# Altium PCB droneM.PcbDoc
Units mm, origin at the board's own origin, x right, y up, seen from the top; angles counter-clockwise.
Board outline 72 x 72 mm, 2 copper layers (Top Layer, Bottom Layer); 9 components, 14 nets, 60 pads, 6 vias.
Unrouted connection lines stored in the file: 4.
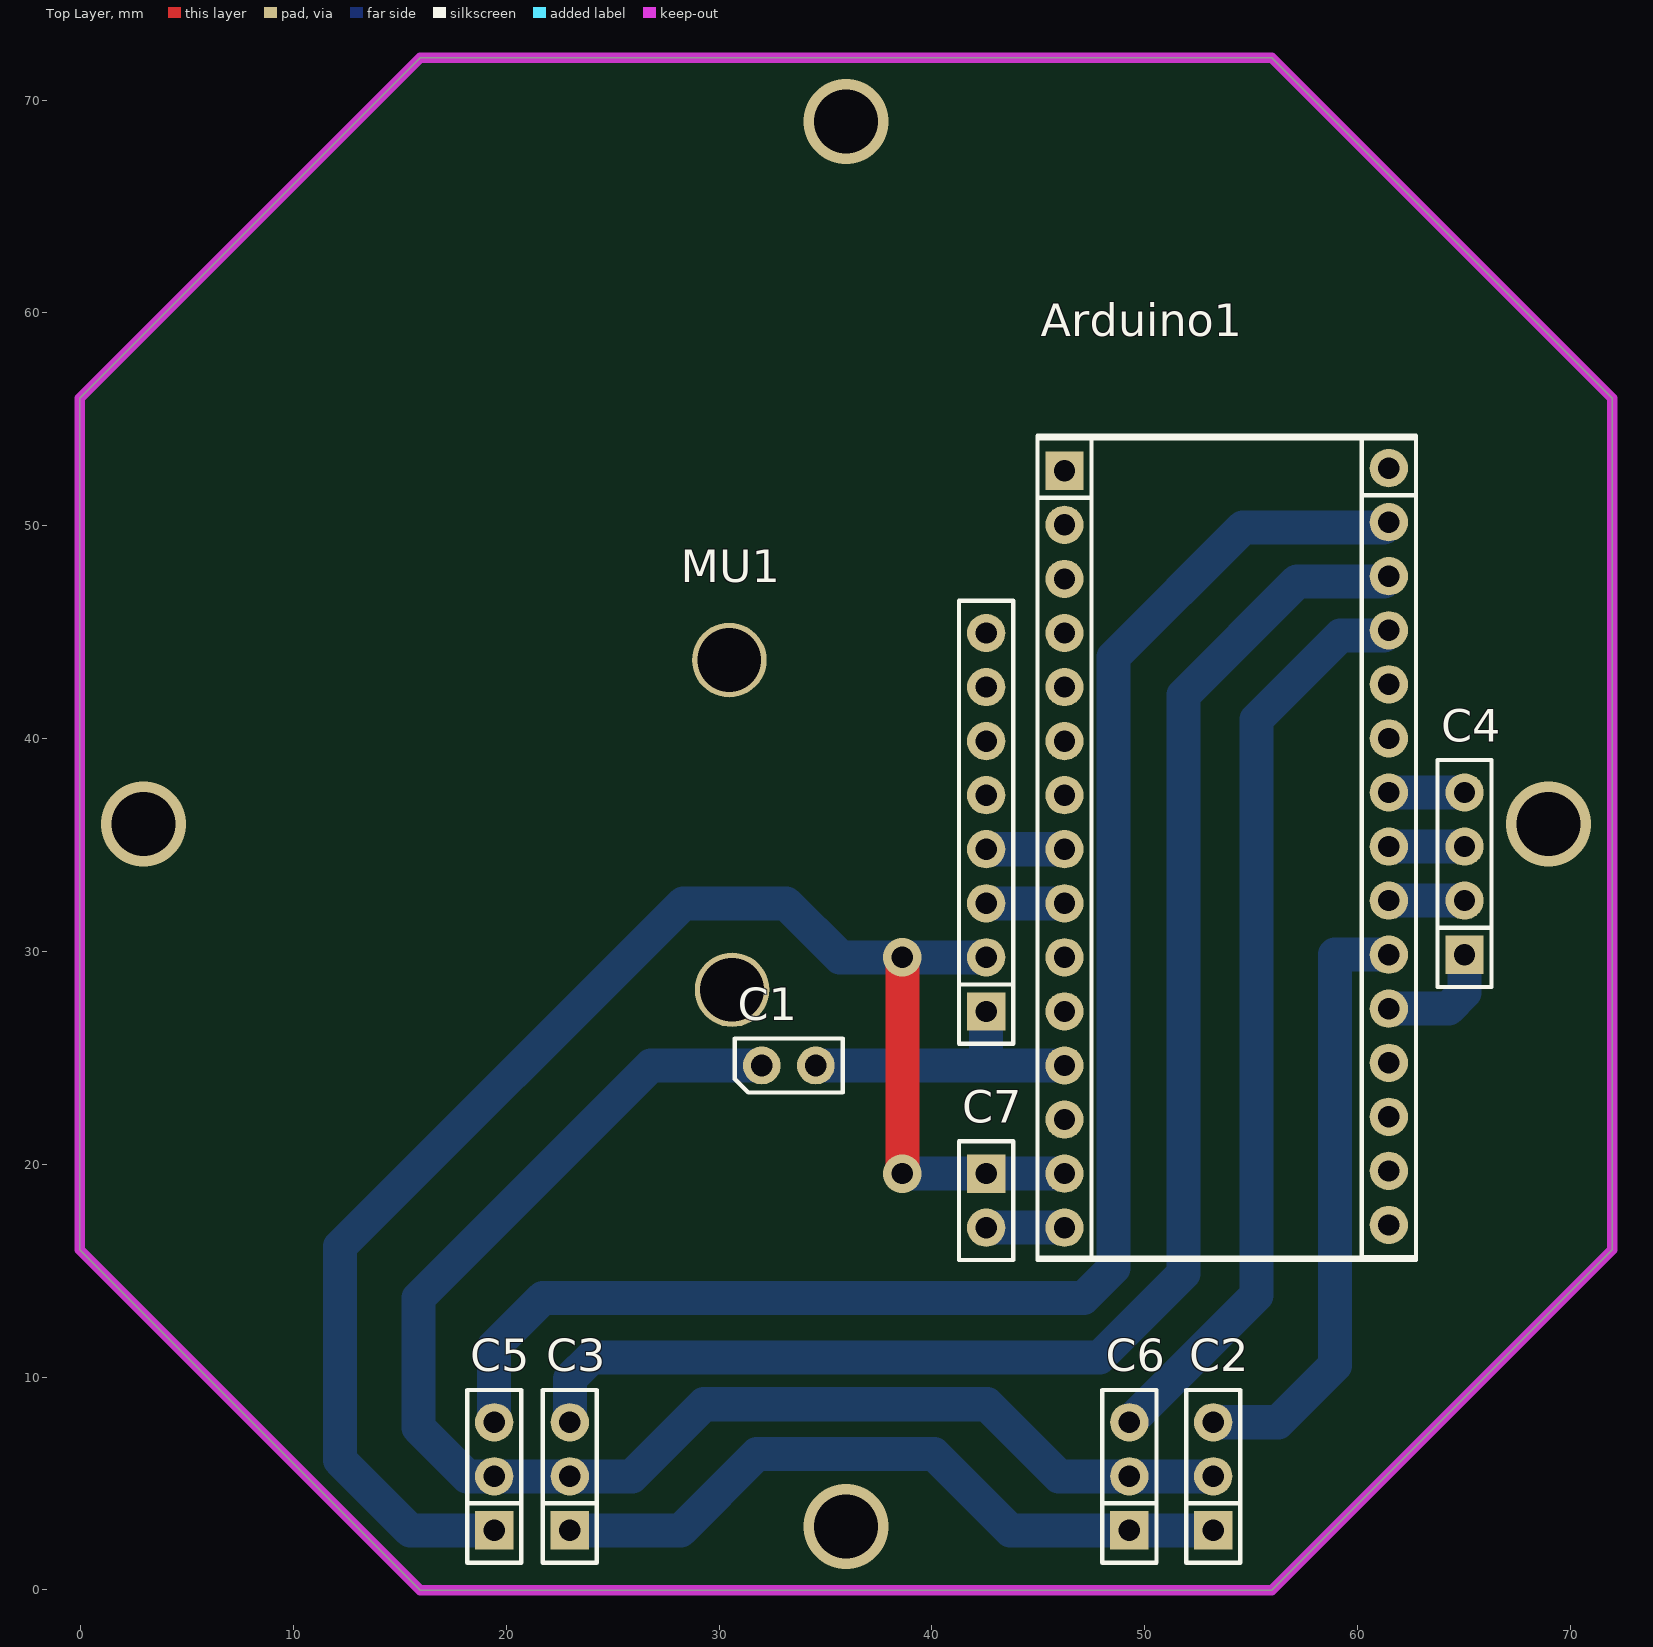
[diagram p0: Top Layer view]
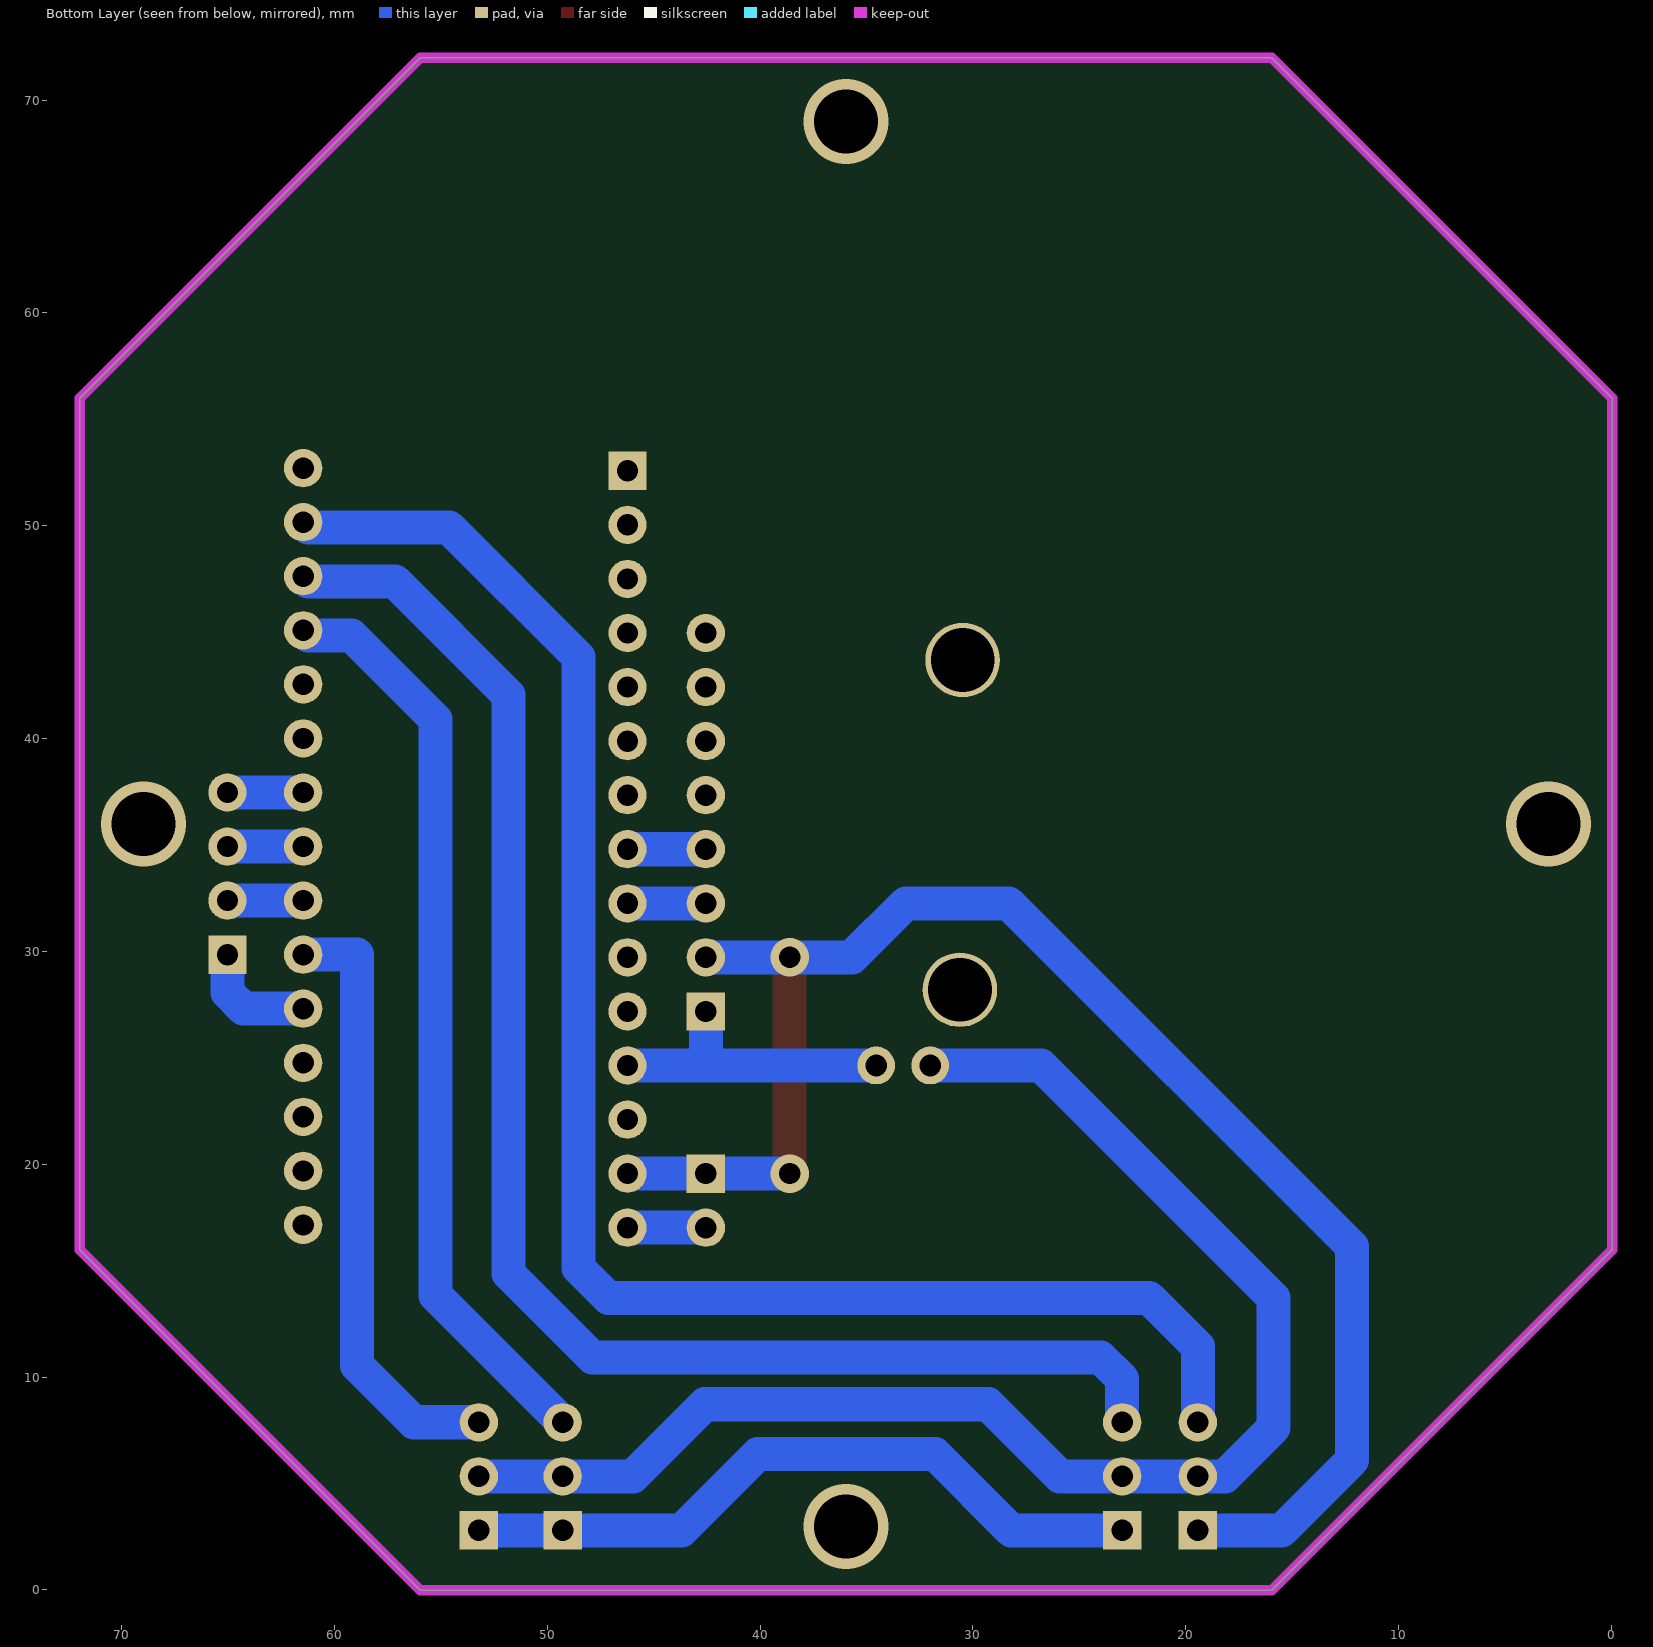
[diagram p1: Bottom Layer view, seen from below]

## Layer stack, top to bottom
Top Solder: solder mask 0.0102, Solder Resist, Dk 3.5
Top Layer: signal copper 0.0356
Dielectric 1: dielectric 0.32, FR-4, Dk 4.8
Bottom Layer: signal copper 0.0356
Bottom Solder: solder mask 0.0102, Solder Resist, Dk 3.5

## Board outline
-0.038,15.984 -0.038,55.984 15.962,71.984 55.962,71.984 71.962,55.984 71.962,15.984 55.962,-0.016 15.962,-0.016

## Design rules (kind name [scope] priority, off if disabled: settings)
Clearance [All] p1: gap=0.6 ignorepadtopadclearanceinfootprint=TRUE
PolygonConnect [All] p1: connectstyle=Relief reliefconductorwidth=0.254 reliefentries=4 polygonreliefangle="90 Angle" airgapwidth=0.254
RoomDefinition droneM [InComponentClass('droneM')] p1: confinementstyle=ConfineIn formatcopy=TRUE lockcomponents=FALSE outline -75.819,-29.845 -25.019,-29.845 -25.019,-4.445 -75.819,-4.445
RoutingVias [All] p1: holewidth=1 width=1.8 viastyle="Through Hole" minholewidth=0.8 minwidth=1.3 maxholewidth=3 maxwidth=6
SolderMaskExpansion [All] p1: expansion=0.102
Width [All] p1: maxlimit=3 minlimit=1 preferedwidth=1.6
30 further rules are at their usual default settings.

## Components (designator, comment, footprint, x,y, rotation, side; value= is the part's Value field where it differs from the comment)
Arduino1 "Arduino Nano" "Arduino Nano" 53.086,34.671 r180 top value="Cau 1A"
C1 "JP2" JP2-CLOSED 32.004,24.638 r90 top
C2 "JP3" JP3-C1T 53.213,2.794 r90 top
C3 "JP3" JP3-C1T 22.987,2.794 r90 top
C4 "JP4" JP4-C1T 65.024,29.845 r90 top
C5 "JP3" JP3-C1T 19.431,2.794 r90 top
C6 "JP3" JP3-C1T 49.276,2.794 r90 top
C7 "JP2" JP2-C1T 42.545,19.558 r270 top
MU1 "MPU6050" MPU6050 35.052,32.766 r90 top

## Footprints (in the part's own frame and the unit in brackets; to place one, negate y for a bottom-side part, rotate by r counter-clockwise, add the part's x,y. Pads: shape width x height; smd on the part's side, far side on the other; paste and mask are expansions set on the pad)
"Arduino Nano" [mm]
  round 1.8 hole 1: 3V3(6.858,-15.367) 5V(6.858,10.033) A0(6.858,-10.287) A1(6.858,-7.747) A2(6.858,-5.207) A3(6.858,-2.667) A4(6.858,-0.127) A5(6.858,2.413) A6(6.858,4.953) A7(6.858,7.493) D2(-8.382,7.366) D3(-8.382,4.826) D4(-8.382,2.286) D5(-8.382,-0.254) D6(-8.382,-2.794) D7(-8.382,-5.334) D8(-8.382,-7.874) D9(-8.382,-10.414) D10(-8.382,-12.954) D11(-8.382,-15.494) D12(-8.382,-18.034) GND(-8.382,9.906) GND(6.858,15.113) REF(6.858,-12.827) RST(-8.382,12.446) RST(6.858,12.573) RX0(-8.382,14.986) TX1(-8.382,17.526) VIN(6.858,17.653)
  rect 1.8x1.8 hole 1: D13(6.858,-17.907)
  silkscreen extent -9.65,-19.55 8.13,19.18, body extent -9.65,-23.48 8.14,21.44, height 21.18
JP2-C1T [mm] "2 row, straight, gold plating"
  rect 1.8x1.8 hole 1: 1(0,0)
  round 1.8 hole 1: 2(2.54,0)
  silkscreen extent -1.52,-1.27 4.06,1.27, body extent -1.52,-1.25 4.06,1.25, height 8.51
JP2-CLOSED [mil]
  round 70 hole 40: 1(0,0) 2(0,-100)
  silkscreen extent -50,-150 50,50, body extent -50,-152 50,50, height 300
JP3-C1T [mm] "3 row, straight, gold plating"
  rect 1.8x1.8 hole 1: 1(0,0)
  round 1.8 hole 1: 2(2.54,0) 3(5.08,0)
  silkscreen extent -1.52,-1.27 6.6,1.27, body extent -1.52,-1.25 6.6,1.25, height 8.51
JP4-C1T [mm] "4 row, straight, gold plating"
  rect 1.8x1.8 hole 1: 1(0,0)
  round 1.8 hole 1: 2(2.54,0) 3(5.08,0) 4(7.62,0)
  silkscreen extent -1.52,-1.27 9.14,1.27, body extent -1.52,-1.25 9.14,1.25, height 8.51
MPU6050 [mm]
  rect 1.8x1.8 hole 1: 1(-5.588,-7.493)
  round 3.5 hole 3: 2(-4.572,4.445) 2(10.922,4.572)
  round 1.8 hole 1: 2(-3.048,-7.493) 3(-0.508,-7.493) 4(2.032,-7.493) 5(4.572,-7.493) 6(7.112,-7.493) 7(9.652,-7.493) 8(12.192,-7.493)
  silkscreen extent -7.11,-8.76 13.71,-6.22, body extent -7.37,-8.76 13.74,7.11, height 14.54

## Part data
Arduino1: "Arduino NANO", ="Cau 5A"
C1 C7: "WR-PHD 2.54 mm Angled Socket Header", Manufacturer="Würth Elektronik eiSos GmbH", partNo=613002143121, ComponentLink1 Description=Manufacturer, ComponentLink1URL=http://www.we-online.com, ComponentLink2 Description=Datasheet, ComponentLink2URL=http://katalog.we-online.de/em/datasheet/6130xx143121.pdf, Created by="Karrer Zheng", Created Date="29 March 2013", NoPins=02
C2 C3 C5 C6: "WR-PHD 2.54 mm Angled Socket Header", Manufacturer="Würth Elektronik eiSos GmbH", partNo=613003143121, ComponentLink1 Description=Manufacturer, ComponentLink1URL=http://www.we-online.com, ComponentLink2 Description=Datasheet, ComponentLink2URL=http://katalog.we-online.de/em/datasheet/6130xx143121.pdf, Created by="Karrer Zheng", Created Date="29 March 2013", NoPins=03
C4: "WR-PHD 2.54 mm Angled Socket Header", Manufacturer="Würth Elektronik eiSos GmbH", partNo=613004143121, ComponentLink1 Description=Manufacturer, ComponentLink1URL=http://www.we-online.com, ComponentLink2 Description=Datasheet, ComponentLink2URL=http://katalog.we-online.de/em/datasheet/6130xx143121.pdf, Created by="Karrer Zheng", Created Date="29 March 2013", NoPins=04
MU1: Manufacturer="Würth Elektronik eiSos GmbH", partNo=613004143121, ComponentLink1 Description=Manufacturer, ComponentLink1URL=http://www.we-online.com, ComponentLink2 Description=Datasheet, ComponentLink2URL=http://katalog.we-online.de/em/datasheet/6130xx143121.pdf, Created by="Karrer Zheng", Created Date="29 March 2013", NoPins=04

## Via types
v1: diameter 4, hole 3, Top Layer to Bottom Layer, 4 vias
v2: diameter 1.8, hole 1, Top Layer to Bottom Layer, 2 vias

## Nets (pads, with @x,y where several pads share a name; then routed paths per layer and width w, separated by ;. In a path a pad name is that pad's centre, name@x,y a point inside that pad or via, vN(x,y) a via of type N, cw(c..) or ccw(c..) an arc to the next point about the centre after c; other vN are vias at no path point)
+5: C1.1 C2.2 C3.2 C5.2 C6.2 | length 67.8
  Bottom Layer w1.6: C1.1 26.797,24.638 15.875,13.716 15.875,7.62 18.161,5.334 C5.2 C3.2 25.908,5.334 29.296,8.722 42.586,8.722 45.974,5.334 C6.2 C2.2
GND: Arduino1.GND C2.1 C3.1 C5.1 C6.1 C7.1 MU1.2 | length 107.7
  Top Layer w1.6: v2(38.608,19.558) v2(38.608,29.718)
  Bottom Layer w1.6: C5.1 15.491,2.794 12.192,6.093 12.192,16.129 28.321,32.258 33.147,32.258 35.687,29.718 v2(38.608,29.718) MU1.2@42.545,29.718 ; C3.1 28.194,2.794 31.784,6.384 40.098,6.384 43.688,2.794 C6.1 C2.1 ; v2(38.608,19.558) C7.1 Arduino1.GND@46.228,19.558
LB: Arduino1.D11 C5.3 | length 78.5
  Bottom Layer w1.6: C5.3 19.431,11.43 21.717,13.716 47.117,13.716 48.528,15.127 48.528,43.829 54.624,49.925 61.228,49.925 Arduino1.D11
LF: Arduino1.D3 C2.3 | length 28.7
  Bottom Layer w1.6: C2.3 56.261,7.874 58.928,10.541 58.928,29.845 Arduino1.D3
NetArduino1_5V: Arduino1.5V C1.2 MU1.1 | length 14.2
  Bottom Layer w1.6: C1.2 42.545,24.638 ; MU1.1 42.545,24.638 ; Arduino1.5V 42.545,24.638
NetArduino1_A4: Arduino1.A4 MU1.4 | length 3.7
  Bottom Layer w1.6: MU1.4 Arduino1.A4
NetArduino1_A5: Arduino1.A5 MU1.3 | length 3.7
  Bottom Layer w1.6: MU1.3 Arduino1.A5
NetArduino1_D2: Arduino1.D2 C4.1 | length 5.6
  Bottom Layer w1.6: Arduino1.D2 64.262,27.305 65.024,28.067 C4.1
NetArduino1_D4: Arduino1.D4 C4.2 | length 3.6
  Bottom Layer w1.6: Arduino1.D4 C4.2
NetArduino1_D5: Arduino1.D5 C4.3 | length 3.6
  Bottom Layer w1.6: Arduino1.D5 C4.3
NetArduino1_D6: Arduino1.D6 C4.4 | length 3.6
  Bottom Layer w1.6: Arduino1.D6 C4.4
RB: Arduino1.D9 C6.3 | length 43.5
  Bottom Layer w1.6: C6.3 55.245,13.843 55.245,40.894 59.196,44.845 61.228,44.845 Arduino1.D9
RF: Arduino1.D10 C3.3 | length 72.1
  Bottom Layer w1.6: C3.3 22.987,9.906 24.003,10.922 47.879,10.922 51.816,14.859 51.816,42.037 57.164,47.385 61.228,47.385 Arduino1.D10
VCC: Arduino1.VIN C7.2 | length 3.7
  Bottom Layer w1.6: C7.2 Arduino1.VIN
pads on no net: Arduino1.3V3 Arduino1.A0 Arduino1.A1 Arduino1.A2 Arduino1.A3 Arduino1.A6 Arduino1.A7 Arduino1.D7 Arduino1.D8 Arduino1.D12 Arduino1.D13 Arduino1.REF Arduino1.RST Arduino1.RX0 Arduino1.TX1 MU1.5 MU1.6 MU1.7 MU1.8
copper on no net: | length 0.1
  Bottom Layer w0.254: v1@68.834,36.112 v1@68.834,36.195
  other v1: 35.962,2.984 2.962,35.984 68.962,35.984 35.962,68.984

## Keep-outs
Keep-Out Layer:
  the board outline again, w0.508